# Altium PCB Atlas-Pi.PcbDoc (part 3 of 3)
Units mil, origin at the board's own origin, x right, y up, seen from the top; angles counter-clockwise.
Board outline 2204.72 x 3346.46 mil, 4 copper layers (Top1, Gnd2, Signal3, Bottom4), stack 64.689 mil thick; 216 components, 214 nets, 934 pads, 615 vias.
Unrouted connection lines stored in the file: 151.
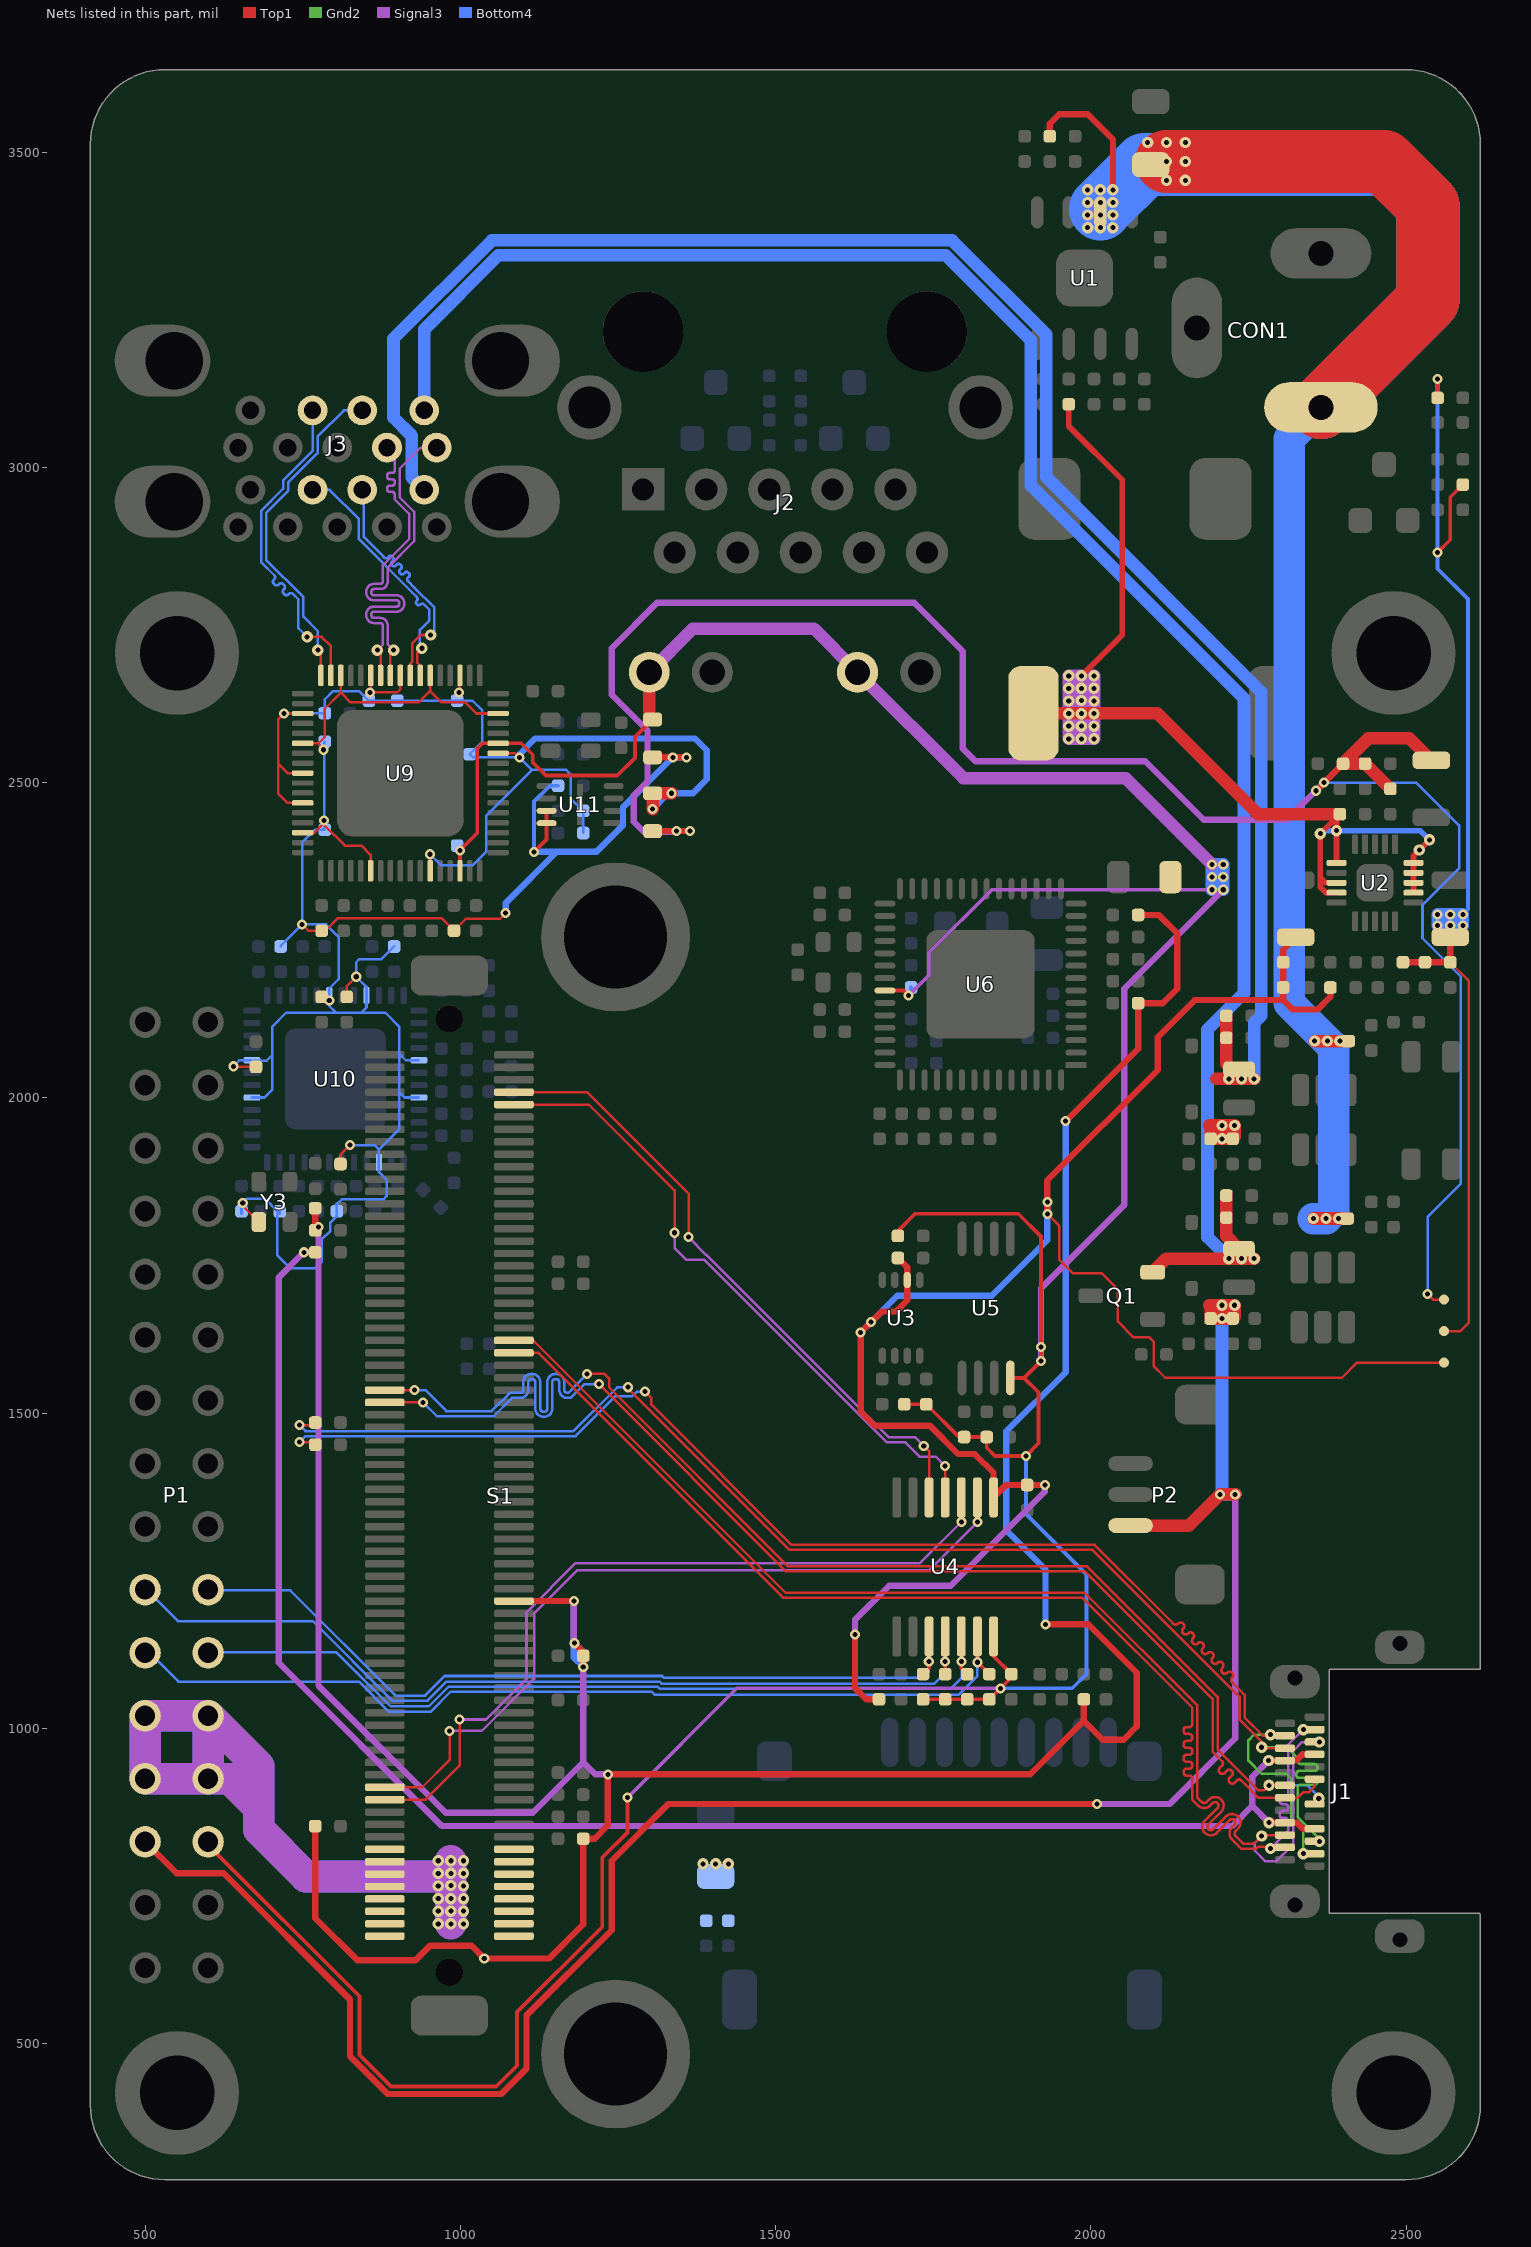
[diagram p5: the nets of this part, all layers, seen from the top]

## Via types
v1: diameter 16, hole 8, Top1 to Bottom4, tented both sides, 455 vias
v2: diameter 18, hole 8, Top1 to Bottom4, tented both sides, 158 vias
v3: diameter 39.37, hole 39.37, Top1 to Bottom4, 2 vias

## Nets (pads, with @x,y where several pads share a name; then routed paths per layer and width w, separated by ;. In a path a pad name is that pad's centre, name@x,y a point inside that pad or via, vN(x,y) a via of type N, cw(c..) or ccw(c..) an arc to the next point about the centre after c; other vN are vias at no path point) (continued)
SSTX2_N: J3.A8 U9.62 | length 561.7
  Top1 w4: v2(868.49,2710) 873.5,2704.98 U9.62@873.5,2669.92
  Signal3 w4: v2(868.49,2710) 877,2718.51 877,2743 877,2749 ccw(c873,2749) 873,2753 863,2753 cw(c863,2765) 851,2765 851,2767 cw(c863,2767) 863,2779 899,2779 ccw(c899,2783) 903,2783 903,2785 ccw(c899,2785) 899,2789 863,2789 cw(c863,2801) 851,2801 851,2803 cw(c863,2803) 863,2815 873,2815 ccw(c873,2819) 877,2819 877,2836 877,2844.31 919,2886.31 919,2926 896,2949 896,2955 896,2957 ccw(c892,2957) 892,2961 888,2961 cw(c888,2965) 884,2965 884,2967 cw(c888,2967) 888,2971 892,2971 ccw(c892,2975) 896,2975 896,2977 ccw(c892,2977) 892,2981 888,2981 cw(c888,2985) 884,2985 884,2987 cw(c888,2987) 888,2991 892,2991 ccw(c892,2995) 896,2995 896,3002 896,3018.96 J3.A8@883.74,3031.22
SSTX2_P: J3.A9 U9.61 | length 561.7
  Top1 w4: U9.61@889.25,2669.92 889.25,2704.98 v2(894.27,2710)
  Signal3 w4: v2(894.27,2710) 885,2719.27 885,2743 885,2749 ccw(c873,2749) 873,2761 863,2761 cw(c863,2765) 859,2765 859,2767 cw(c863,2767) 863,2771 899,2771 ccw(c899,2783) 911,2783 911,2785 ccw(c899,2785) 899,2797 863,2797 cw(c863,2801) 859,2801 859,2803 cw(c863,2803) 863,2807 873,2807 ccw(c873,2819) 885,2819 885,2836 885,2841 927,2883 927,2926 927,2929.31 904,2952.31 904,2998 937.22,3031.22 J3.A9@962.48,3031.22
UART0_RXD: S1.23 U4.3 | length 1240.2
  Top1 w4: S1.23@880.28,886.93 944.93,886.93 999,941 v1(999,1014) ; v1(1794.59,1327.59) U4.3@1794.59,1366.24
  Signal3 w4: v1(999,1014) 1040.69,1014 1105,1078.31 1105,1184 1183,1262 1729,1262 v1(1794.59,1327.59)
UART0_RXD_3V3: P1.22 R29.2 U4.12 | length 1341.4
  Top1 w6: U4.12@1794.59,1145.76 1794.59,1095.41 R29.2@1804,1086
  Bottom4 w4: P1.22@600,1121 803,1121 836,1088 836.31,1088 889.31,1035 950.31,1035 981.31,1066 1313,1066 1316,1063 1778,1063 1795,1080 v1(1795,1106)
UART0_TXD: S1.25 U4.2 | length 1240.4
  Top1 w4: S1.25@880.28,906.61 939.61,906.61 983,950 v1(983,996) ; v1(1820,1327) 1820.18,1327.18 U4.2@1820.18,1366.24
  Signal3 w4: v1(983,996) 1034,996 1117,1079 1117,1182 1186,1251 1744,1251 v1(1820,1327)
UART0_TXD_3V3: P1.21 R28.2 U4.13 | length 1476.1
  Top1 w6: U4.13@1820.18,1145.76 v1(1820.18,1104.82) R28.2@1839,1086
  Bottom4 w4: P1.21@500,1120 507,1120 553,1074 839,1074 887,1026 952.63,1026 984.63,1058 1304,1058 1309,1053 1790,1053 1820.18,1083.18 v1(1820.18,1104.82)
UART1_RXD: S1.138 U4.5 | length 1008
  Top1 w4: S1.138@1085,2008.98 1201.03,2008.98 1362,1848 v1(1362,1779) ; v1(1735,1448) 1743.41,1439.59 U4.5@1743.41,1366.24
  Signal3 w4: v1(1362,1779) 1390,1751 1390.31,1751 1679.31,1462 1721,1462 v1(1735,1448)
UART1_RXD_3V3: P1.20 R31.2 U4.10 | length 1310.1
  Top1 w6: R31.2@1734,1086 1743.41,1095.41 U4.10@1743.41,1145.76
  Bottom4 w4: P1.20@600,1219 730,1219 897,1052 944,1052 975,1083 1320,1083 1323,1080 1733,1080 1743,1090 v1(1743,1106)
UART1_TXD: S1.136 U4.4 | length 1024.5
  Top1 w4: S1.136@1085,1989.29 1203.71,1989.29 1340,1853 v1(1340,1786) ; U4.4@1769,1366.24 v1(1769,1416)
  Signal3 w4: v1(1340,1786) 1340,1762 1359,1743 1387,1743 1676,1454 1705,1454 1728,1431 1754,1431 v1(1769,1416)
UART1_TXD_3V3: P1.19 R30.2 U4.11 | length 1440.4
  Top1 w6: R30.2@1769,1086 v1(1769,1106) U4.11@1769,1145.76
  Bottom4 w4: P1.19@500,1220 502,1220 552,1170 766,1170 892,1044 948,1044 978,1074 1316.31,1074 1319.31,1071 1752,1071 1769,1088 v1(1769,1106)
USB2_D_N: J1.A7 J1.B7 S1.89 | length 2039
  Top1 w4: S1.89@880.28,1536.53 v1(927.47,1536.53) ; v1(1201,1562) 1229,1562 1236,1555 1236,1541 1520,1257 1994,1257 2201,1050 2201,966.31 2265.31,902 2275,902 v2(2282.53,909.53) J1.A7@2307.76,909.53
  Bottom4 w4: v1(927.47,1536.53) 944.47,1536.53 978,1503 1049.69,1503 1078.69,1532 1089,1532 1095,1532 ccw(c1095,1536.95) 1099.95,1536.95 1099.95,1549.05 cw(c1112.9,1549.05) 1112.9,1562 1114,1562 cw(c1114,1549.05) 1126.95,1549.05 1126.95,1506.95 ccw(c1131.9,1506.95) 1131.9,1502 1133,1502 ccw(c1133,1506.95) 1137.95,1506.95 1137.95,1549.05 cw(c1150.9,1549.05) 1150.9,1562 1152,1562 cw(c1152,1549.05) 1164.95,1549.05 1164.95,1536.95 ccw(c1169.9,1536.95) 1169.9,1532 1171.34,1532 1171.59,1532.24 1177.76,1538.41 1177.76,1538.76 1188,1549 v1(1201,1562) ; v2(2282.53,909.53) 2343.47,909.53 v2@2364,889
  other v2: 2361.5,889
USB2_D_P: J1.A6 J1.B6 S1.87 | length 2038.5
  Top1 w4: S1.87@880.28,1516.85 v1(941,1516.85) ; v1(1219.84,1545.84) 1516.69,1249 1990.69,1249 2193,1046.69 2193,963 2199,957 2208.19,947.81 cw(c2204.69,944.31) 2208.19,940.81 2204.28,936.9 ccw(c2207.78,933.4) 2204.28,929.9 2205.06,929.12 ccw(c2208.56,932.62) 2212.06,929.12 2215.97,933.03 cw(c2219.47,929.53) 2222.97,933.03 2223.75,932.25 cw(c2220.25,928.75) 2223.75,925.25 2219.84,921.34 ccw(c2223.34,917.84) 2219.84,914.34 2220.62,913.56 ccw(c2224.12,917.06) 2227.62,913.56 2231.53,917.47 cw(c2235.03,913.97) 2238.53,917.47 2244.5,911.5 2266.16,889.84 J1.A6@2307.76,889.84 2327.84,889.84 2337,899 2346,899 2355,908 J1.B6@2355,919.37
  Bottom4 w4: v1(941,1516.85) 962.85,1495 1053,1495 1082,1524 1089,1524 1095,1524 ccw(c1095,1536.95) 1107.95,1536.95 1107.95,1549.05 cw(c1112.9,1549.05) 1112.9,1554 1114,1554 cw(c1114,1549.05) 1118.95,1549.05 1118.95,1506.95 ccw(c1131.9,1506.95) 1131.9,1494 1133,1494 ccw(c1133,1506.95) 1145.95,1506.95 1145.95,1549.05 cw(c1150.9,1549.05) 1150.9,1554 1152,1554 cw(c1152,1549.05) 1156.95,1549.05 1156.95,1536.95 ccw(c1169.9,1536.95) 1169.9,1524 1174.66,1524 1174.9,1524.24 1183.41,1532.76 1183.76,1532.76 1188,1537 1196.84,1545.84 v1(1219.84,1545.84)
USB3_RX_N: C14.2 J1.A10 J1.B10 | length 2210.8
  Top1 w4: v1(745,1481) 766,1481 C14.2@770,1485 ; v1(1266,1541) 1266,1539 1522,1283 2002.69,1283 2236,1049.69 2236,1014 2271,979 v2(2271,970) ; v2@2271,968.58 J1.A10@2307.76,968.58
  Gnd2 w4: v2(2271,970) 2311,970 2328,953 2328,950.39 2328,948.39 ccw(c2332.95,948.39) 2332.95,943.44 2354.59,943.44 cw(c2354.59,938.49) 2359.54,938.49 2359.54,937.39 cw(c2354.59,937.39) 2354.59,932.44 2330.82,932.44 ccw(c2330.82,927.49) 2325.87,927.49 2325.87,926.39 ccw(c2330.82,926.39) 2330.82,921.44 2354.59,921.44 cw(c2354.59,916.49) 2359.54,916.49 2359.54,915.39 cw(c2354.59,915.39) 2354.59,910.44 2332.95,910.44 ccw(c2332.95,905.49) 2328,905.49 2328,891.1 2328,859.37 v2@2366,821.37
  Bottom4 w4: v1(745,1481) 754.5,1471.5 1179.5,1471.5 1249,1541 v1(1266,1541)
  other v2: 2362.3,820.87
USB3_RX_P: C13.2 J1.A11 J1.B11 | length 2228.4
  Top1 w4: v1(745,1454) 766,1454 C13.2@770,1450 ; v1(1293,1534) 1303,1524 1303,1513.31 1525.31,1291 2006,1291 2129.5,1167.5 2130.91,1166.09 ccw(c2134.8,1169.97) 2138.69,1166.09 cw(c2142.58,1162.2) 2146.47,1166.09 cw(c2142.58,1162.2) 2146.47,1158.31 ccw(c2150.36,1154.42) 2146.47,1150.53 ccw(c2150.36,1154.42) 2154.25,1150.53 cw(c2158.14,1146.64) 2162.03,1150.53 cw(c2158.14,1146.64) 2162.03,1142.75 ccw(c2165.92,1138.86) 2162.03,1134.97 ccw(c2165.92,1138.86) 2169.81,1134.97 cw(c2173.69,1131.08) 2177.58,1134.97 cw(c2173.69,1131.08) 2177.58,1127.19 ccw(c2181.47,1123.31) 2177.58,1119.42 ccw(c2181.47,1123.31) 2185.36,1119.42 cw(c2189.25,1115.53) 2193.14,1119.42 cw(c2189.25,1115.53) 2193.14,1111.64 ccw(c2197.03,1107.75) 2193.14,1103.86 ccw(c2197.03,1107.75) 2200.92,1103.86 cw(c2204.81,1099.97) 2208.7,1103.86 cw(c2204.81,1099.97) 2208.7,1096.08 ccw(c2212.59,1092.19) 2208.7,1088.3 ccw(c2212.59,1092.19) 2216.47,1088.3 cw(c2220.36,1084.41) 2224.25,1088.3 cw(c2220.36,1084.41) 2224.25,1080.53 ccw(c2228.14,1076.64) 2224.25,1072.75 2237,1060 2244,1053 2244,1017.31 2273.05,988.27 J1.A11@2307.76,988.27
  Gnd2 w4: v2(2285,990) 2259,990 2250,981 2250,949 2271,928 2310,928 2318,920 2318,855 2337,836 v2(2337,801.37)
  Bottom4 w4: v1(745,1454) 754.5,1463.5 1182.81,1463.5 1246.31,1527 1273,1527 1280,1534 v1(1293,1534)
USB3_TX_N: J1.A3 J1.B3 S1.98 | length 2061.6
  Top1 w4: S1.98@1085,1615.28 1115.73,1615.28 1516,1215 1990,1215 2169,1036 2169,890 2171.59,887.41 2175.81,883.19 ccw(c2179.72,887.06) 2183.62,883.18 2187.5,887.06 ; 2186.45,840.03 ccw(c2190.33,843.93) 2194.23,840.05 2214.37,860.19 ; 2186.42,840.05 cw(c2190.33,843.93) 2186.44,847.82 ; 2186.46,847.84 2207.78,869.16 2207.78,869.33 ccw(c2197.07,877.54) 2206.61,887.08 ccw(c2197.07,877.54) 2187.5,887.07 ; 2214.37,860.2 cw(c2223.94,850.67) 2234.65,842.46 2234.65,842.29 2229.59,837.23 ccw(c2233.46,833.32) 2229.58,829.42 2236.14,822.86 2241.56,817.44 2242,817 2258.63,817 v2(2271,829.37) ; v2@2271,830.79 J1.A3@2307.76,830.79
  Signal3 w4: v2(2271,829.37) 2260,818.37 2260,806 2277,789 2294,789 2321,816 2321,964 2335,978 v2@2366,978
  other v2: 2362.4,978.4
USB3_TX_P: J1.A2 J1.B2 S1.96 | length 2073.9
  Top1 w4: S1.96@1085,1595.59 1124.1,1595.59 1512.69,1207 1986.69,1207 2161,1032.69 2161,1020 2161,1007 cw(c2156.05,1007) 2156.05,1002.05 2151.95,1002.05 ccw(c2151.95,997.1) 2147,997.1 2147,996 ccw(c2151.95,996) 2151.95,991.05 2156.05,991.05 cw(c2156.05,986.1) 2161,986.1 2161,985 cw(c2156.05,985) 2156.05,980.05 2151.95,980.05 ccw(c2151.95,975.1) 2147,975.1 2147,974 ccw(c2151.95,974) 2151.95,969.05 2156.05,969.05 cw(c2156.05,964.1) 2161,964.1 2161,963 cw(c2156.05,963) 2156.05,958.05 2151.95,958.05 ccw(c2151.95,953.1) 2147,953.1 2147,952 ccw(c2151.95,952) 2151.95,947.05 2156.05,947.05 cw(c2156.05,942.1) 2161,942.1 2161,941 cw(c2156.05,941) 2156.05,936.05 2151.95,936.05 ccw(c2151.95,931.1) 2147,931.1 2147,930 ccw(c2151.95,930) 2151.95,925.05 2156.05,925.05 cw(c2156.05,920.1) 2161,920.1 2161,899 2161,886.69 2165.93,881.76 2170.14,877.54 ; 2170.18,877.51 ccw(c2179.72,887.06) 2189.28,877.53 2193.15,881.4 cw(c2197.07,877.54) 2200.93,881.44 ; 2180.79,853.49 ccw(c2190.33,843.93) 2180.78,834.38 ccw(c2190.33,843.93) 2198.53,833.21 2198.7,833.21 2220.02,854.53 ; 2180.8,853.5 2200.93,873.62 ccw(c2197.07,877.54) 2200.97,881.41 ; 2220.05,854.55 cw(c2223.94,850.67) 2227.82,854.56 cw(c2223.94,850.67) 2227.81,846.76 ; 2227.8,846.75 2223.93,842.89 ccw(c2233.46,833.32) 2223.93,823.75 2231.65,816.04 ; 2231.68,816.01 2235.9,811.79 2238.69,809 2261.94,809 2264.94,812 2282.37,812 v2(2285,809.37) ; v2@2285,811.1 J1.A2@2307.76,811.1
  Signal3 w4: v2(2285,809.37) 2313,837.37 2313,851 2313,853 ccw(c2308.05,853) 2308.05,857.95 2304.27,857.95 cw(c2304.27,862.9) 2299.32,862.9 2299.32,864 cw(c2304.27,864) 2304.27,868.95 2308.05,868.95 ccw(c2308.05,873.9) 2313,873.9 2313,875 ccw(c2308.05,875) 2308.05,879.95 2304.27,879.95 cw(c2304.27,884.9) 2299.32,884.9 2299.32,886 cw(c2304.27,886) 2304.27,890.95 2308.05,890.95 ccw(c2308.05,895.9) 2313,895.9 2313,905.69 2313,974 v2(2337,998)
USBHP1_N: J3.B2 U9.59 | length 408.2
  Top1 w4: U9.59@920.75,2669.92 920.75,2688.75 924,2692 924,2721 937,2734 v2(953,2734)
  Bottom4 w4: J3.B2@844.37,2964.29 847,2961.66 847,2889.31 878.07,2858.24 879.49,2856.83 ccw(c882.31,2859.66) 885.14,2856.83 886.84,2858.52 cw(c889.39,2855.98) 891.93,2858.52 893.2,2857.25 cw(c890.66,2854.71) 893.2,2852.16 891.22,2850.18 ccw(c893.77,2847.64) 891.22,2845.09 892.5,2843.82 ccw(c895.04,2846.36) 897.59,2843.82 899.57,2845.8 cw(c902.11,2843.25) 904.66,2845.8 905.93,2844.52 cw(c903.39,2841.98) 905.93,2839.43 903.95,2837.45 ; 903.95,2832.36 905.22,2831.09 ccw(c907.77,2833.63) 910.32,2831.09 912.3,2833.07 cw(c914.84,2830.52) 917.39,2833.07 918.66,2831.8 cw(c916.11,2829.25) 918.66,2826.7 916.96,2825.01 ccw(c919.79,2822.18) 916.96,2819.35 926.66,2809.66 959,2777.31 959,2740 v2(953,2734) ; 903.95,2832.36 cw(c906.5,2834.91) 903.95,2837.45
USBHP1_P: J3.B3 U9.58 | length 408.7
  Top1 w4: U9.58@936.5,2669.92 936.5,2685.51 932,2690 932,2706 v2(939,2713)
  Bottom4 w4: J3.B3@765.63,2964.29 792.71,2964.29 839,2918 839,2886 924,2801 931.07,2793.93 cw(c928.24,2791.1) 931.07,2788.27 930.79,2787.99 ccw(c933.33,2785.44) 930.79,2782.9 931.35,2782.33 ccw(c933.9,2784.88) 936.45,2782.33 936.73,2782.61 cw(c939.56,2779.79) 942.39,2782.61 947,2778 951,2774 951,2757 936,2742 936,2730 936,2716 v2(939,2713)
USBHP2_N: J3.A2 U9.68 | length 536.6
  Top1 w4: v2(774,2710) 779.02,2704.98 U9.68@779.02,2669.92
  Bottom4 w4: v2(774,2710) 774,2740 751,2763 751,2794 692,2853 692,2927.69 727,2962.69 727,2976 773.63,3022.63 773.63,3048.63 815.27,3090.27 J3.A2@844.37,3090.27
USBHP2_P: J3.A3 U9.67 | length 538.4
  Top1 w4: v2(757,2731) 780,2731 794.76,2716.24 U9.67@794.76,2669.92
  Bottom4 w4: v2(757,2731) 743,2745 743,2790.69 735.93,2797.76 734.51,2799.17 ccw(c731.4,2796.06) 728.29,2799.17 727.44,2798.32 cw(c724.33,2801.44) 721.22,2798.32 719.66,2799.88 cw(c722.78,2802.99) 719.66,2806.1 720.51,2806.95 ccw(c717.4,2810.06) 720.51,2813.17 718.96,2814.73 ccw(c715.85,2811.62) 712.74,2814.73 711.89,2813.88 cw(c708.78,2816.99) 705.66,2813.88 704.11,2815.44 cw(c707.22,2818.55) 704.11,2821.66 704.96,2822.51 ccw(c701.85,2825.62) 704.96,2828.73 686.34,2847.34 684,2849.69 684,2854 684,2931 719,2966 719,2977 719,2979.31 765.63,3025.94 J3.A3@765.63,3090.27
VBUCK8_1V8: R2.1 R3.1 R5.1 R23.2 R24.2 R40.1 R54.1 R70.1 S1.56 | length 5289.4
  Top1 w4: R23.2@770,1790 v1(775,1795)
  Top1 w10: R5.1@770,845 770,699 837,632 929,632 952,655 1018,655 v1(1038,635) 1141,635 1195,689 R3.1@1195,825 1213,825 1234,846 v1(1234,927) 1904,927 1989,1012 ; R23.2@770,1790 R24.2@770,1825 ; S1.56@1085,1201.89 v1(1180.11,1201.89) ; v1(1181,1135) 1195,1121 R70.1@1195,1115 v1(1195,1097.5) ; v1(1928,1165) 1996,1165 2073,1088 2073,1003 2052,982 2019,982 1989,1012 ; v1(1960,1963) 2075,2078 R2.1@2075,2150 2114,2150 2137,2173 2137,2261 2108,2290 R54.1@2075,2290 ; R40.1@1989,1046 1989,1012
  Signal3 w10: v1(775,1795) 775,1068 977,866 1115,866 1195,946 ; v1(1180.11,1201.89) 1180.11,1135.89 v1(1181,1135) 1195,1121 v1(1195,1097.5) 1195,946 ; v1(1234,927) 1214,927 1195,946
  Bottom4 w10: v1(1180.11,1201.89) 1180.11,1112.39 v1(1195,1097.5) ; v1(1928,1165) 1928,1252 1866,1314 1866,1471 1960,1565 v1(1960,1963)
VBUS: J1.A4 J1.A9 J1.B4 J1.B9 R22.2 | length 2624.1
  Top1 w10: v1(752,1755) R22.2@770,1755 ; v2(2282,949) 2282.1,948.9 J1.A9@2307.76,948.9 2325.9,948.9 2335.74,958.74 J1.B4@2355,958.74 ; v2(2282.53,850.47) J1.A4@2307.76,850.47 2326.53,850.47 2336.37,840.63 J1.B9@2355,840.63
  Signal3 w10: v1(752,1755) 712,1715 712,1104 971,845 2224,845 2256,877 ; v2(2282,949) 2256,923 2256,877 ; v2(2282.53,850.47) 2256,877
VCC_1V05: C8.1 C9.1 L2.2 R14.2 R59.1 T3.0 | length 3308.6
  Top1 w4: v1(2534,1689) 2543,1680 T3.0@2560,1680
  Top1 w10: R59.1@1305,2423 v1(1343,2423) v1(1364,2423) ; v1(2357,2487) v1(2370,2500) C9.1@2400,2530
  Top1 w20: R14.2@2475,2490 C8.1@2435,2530 C9.1@2400,2530 2440,2570 2505.28,2570 L2.2@2540,2535.28
  Signal3 w10: v1(1364,2423) 1345.5,2423 1345.25,2423.25 1344,2422 v1(1343,2423) 1342,2422 1291,2422 1275,2438 1275,2480 1297,2502 1297,2582 1240,2639 1240,2713 1312,2785 1720,2785 1797,2708 1797,2554 1817,2534 2086,2534 2179,2441 2311,2441 v1(2357,2487) v1(2370,2500)
  Bottom4 w4: v1(2370,2500) 2516,2500 2584,2432 2584,2364 2526,2306 2526,2253 2587,2192 2587,1864 2534,1811 v1(2534,1689)
  Bottom4 w10: v1(2357,2487) v1(2370,2500)
VCC_1V05_USB3: C43.1 C44.1 C58.2 C59.2 C60.2 C61.2 C62.2 R59.2 U9.3 U9.9 U9.12 U9.29 U9.45 U9.54 U9.60 U9.63 | length 1938.9
  Top1 w4: U9.12@750.08,2467.76 725.64,2467.76 711.1,2482.3 711.1,2530 ; U9.9@750.08,2515 726.1,2515 711.1,2530 ; U9.3@750.08,2609.49 v1(720.49,2609.49) 711.1,2600.1 711.1,2530 ; U9.63@857.76,2669.92 857.76,2643.76 v1(857,2643) 900,2643 905,2648 U9.60@905,2669.92 ; U9.29@952.24,2360.08 v1(952.24,2386.24) ; v1(998,2643) 999.49,2644.49 U9.54@999.49,2669.92 ; U9.45@1059.92,2546.5 1087.5,2546.5 v1(1094,2540)
  Top1 w20: v1(1305,2458) R59.2@1305,2483 v1(1335,2483)
  Bottom4 w4: v1(720.49,2609.49) 721,2610 C58.2@785,2610 785,2632 798,2645 839,2645 854,2630 C60.2@855,2630 C59.2@900,2630 C61.2@995,2630 1019,2630 1035,2614 1035,2565 C62.2@1015,2545 1020,2540 v1(1094,2540) 1114,2520 ; v1(952.24,2386.24) 969.49,2369 1020,2369 1041,2390 1041,2447 1114,2520 ; C44.1@1195,2420 C43.1@1195,2455 1175,2475 1175,2513 1168,2520 1114,2520
  Bottom4 w10: v1(1094,2540) 1094,2545 1119,2570 1372,2570 1391,2551 1391,2505 1369,2483 v1(1335,2483) 1330,2483 v1(1305,2458)
VCC_1V8: C10.1 C11.1 C17.2 C19.2 L3.2 R15.2 R33.2 T1.0 U3.2 U4.1 | length 3259.9
  Top1 w4: v1(1931,1816) 1950,1797 1950,1743 1971,1722 2017,1722 2043,1696 2043,1645 2068,1620 2093,1620 2100,1613 2100,1574 2118,1556 2398,1556 2422.01,1580.01 T1.0@2560,1580.01
  Top1 w10: v1(1626,1149) 1626,1064 1644,1046 R33.2@1664,1046 ; C17.2@1694,1746 1708.84,1731.16 U3.2@1708.84,1711.04 1708.84,1678.84 1691,1661 1668,1661 v1(1651.5,1644.5) v1(1635,1628) 1635,1502 1657,1480 1745,1480 1790,1435 1816,1435 1845.77,1405.23 U4.1@1845.77,1366.24 1865.54,1386 C19.2@1899,1386 v1(1927,1386) ; v1(1931,1816) v1(1931,1835) 1931,1869 2106,2044 2106,2096 2165,2155 2305,2155 ; L3.2@2325,2254.72 2305,2234.72 C10.1@2305,2215 C11.1@2305,2175 2305,2155 ; R15.2@2380,2175 2380,2160 2360,2140 2320,2140 2305,2155
  Signal3 w10: v1(1626,1149) 1626,1172 1680,1226 1778,1226 1927,1375 v1(1927,1386)
  Bottom4 w10: v1(1635,1628) v1(1651.5,1644.5) 1693,1686 1843,1686 1931,1774 v1(1931,1816) v1(1931,1835)
VCC_3V3: C15.1 C16.1 C20.2 C22.2 C33.1 C51.2 J2.11 J2.13 L4.2 P1.28 R18.2 R25.1 R26.1 R27.1 R28.1 R29.1 R30.1 R31.1 R34.2 R35.1 R36.1 R45.1 R58.1 T2.0 U4.14 U5.8 U6.36 U9.32 U9.46 | length 8746.3
  Top1 w4: T2.0@2560,1630 2586,1630 2599,1643 2599,2186 C15.1@2570,2215
  Top1 w6: P1.28@600,820 600,815 840,575 840,481.97 889.97,432 1057,432 1090,465 1090,550 1225,685 1225,795 1265,835 v1(1265,890) ; U9.32@999.49,2360.08 v1(999.49,2392.49) 1027,2420 1027,2554 1035.24,2562.24 U9.46@1059.92,2562.24 1096.76,2562.24 1115,2544 1115,2532 1136,2511 1249,2511 1277,2539 1277,2572 R58.1@1305,2600 ; U6.36@1673.4,2170.16 1702.84,2170.16 v1(1711,2162) ; R34.2@1694,1781 1694,1789 1721,1816 1885,1816 1921,1780 v1(1921,1605) v1(1921,1582.53) 1894.24,1555.76 ; R25.1@1704,1514 C22.2@1739,1514 R26.1@1791,1462 ; R31.1@1734,1046 R30.1@1769,1046 R29.1@1804,1046 R28.1@1839,1046 v1(1856.5,1063.5) 1874,1081 C20.2@1874,1086 1845.77,1114.23 U4.14@1845.77,1145.76 ; R26.1@1799,1462 R27.1@1835,1462 1835,1445 1848,1432 v1(1897,1432) 1917,1452 1917,1533 1894.24,1555.76 ; U5.8@1872.39,1555.76 1894.24,1555.76 ; v1(2550,2865) 2570,2885 2570,2952.5 R35.1@2590,2972.5 ; R36.1@2550,3110 v1(2550,3140)
  Top1 w10: R18.2@2495,2215 C16.1@2530,2215 C15.1@2570,2215 L4.2@2570,2254.72
  Top1 w20: R58.1@1299.69,2605.32 J2.11@1299.69,2674.84
  Signal3 w6: v1(1265,890) 1438.5,1063.5 v1(1856.5,1063.5) ; v1(1711,2162) 1743,2194 1743,2230 1843,2330 v1(2192,2330)
  Signal3 w10: v1(1921,1582.53) v1(1921,1605) 1921,1698 2053,1830 2053,2173 v1(2210,2330)
  Signal3 w20: J2.11@1299.69,2674.84 1368.84,2744 1560.84,2744 J2.13@1630,2674.84 1797.84,2507 2055,2507 v1(2192,2370)
  Bottom4 w6: v1(1711,2162) 1715,2166 C33.1@1715,2175 ; v1(1856.5,1063.5) 1970.5,1063.5 1993,1086 1993,1244 1897,1340 v1(1897,1432) ; v1(2550,3140) v1(2550,2865) 2550,2839 2598,2791 2598,2299 v1(2590,2291)
  Bottom4 w20: v1(2192,2330) v1(2192,2350) v1(2192,2370) v1(2210,2370) v1(2210,2350) v1(2210,2330) v1(2192,2330) ; v1(2550,2273) v1(2570,2273) v1(2590,2273) v1(2590,2291) v1(2570,2291) v1(2550,2291) v1(2550,2273)
VCC_3V3_USB3: C52.2 C53.2 C70.2 C71.2 C72.2 C73.2 R58.2 R66.2 R67.2 R68.2 R71.1 R92.1 R96.1 R98.1 R99.1 U9.6 U9.15 U9.23 U9.49 U9.57 U9.66 U10.5 U10.8 U10.15 U10.29 U10.32 U10.42 U10.45 U11.7 U11.8 Y3.4 | length 3846
  Top1 w4: v1(640,2050) 641,2049 C70.2@676,2049 ; v1(655,1833) 655,1828.5 Y3.4@680.39,1803.11 ; v1(749,2275) 759,2265 R71.1@780,2265 786,2265 806,2285 970,2285 R66.2@990,2265 1009,2284 1063,2284 v1(1072,2293) ; U9.15@750.08,2420.51 768.51,2420.51 v1@782,2434 ; U9.6@750.08,2562.24 774.76,2562.24 ; v1(783,2552) 783,2554 774.76,2562.24 ; v1(784,2440) 784,2433 817,2400 843,2400 857.76,2385.24 U9.23@857.76,2360.08 ; C71.2@810,1895 810,1910 v1(825,1925) ; U9.66@810.51,2669.92 810.51,2642.51 ; C72.2@820,2160 820,2177 v1(835,2192) ; U9.57@952.24,2669.92 952.24,2645.24 ; U9.49@1059.92,2609.49 1025.51,2609.49 1008,2627 970.49,2627 952.24,2645.24 ; 774.76,2562.24 785,2572.49 785,2617 810.51,2642.51 ; 810.51,2642.51 826.02,2627 934,2627 952.24,2645.24
  Top1 w6: v1(1117,2390) 1136.83,2409.83 U11.8@1136.83,2435.47 U11.7@1136.83,2455.16
  Top1 w10: R58.2@1305,2540 v1(1337,2540) v1(1359,2540)
  Bottom4 w4: v1(640,2050) 649.53,2059.53 U10.32@669.62,2059.53 670.15,2059 693,2059 702,2068 ; R67.2@653,1816 R67.2@653,1820 653,1831 v1(655,1833) 662,1840 690,1840 710,1820 R98.1@713.5,1820 ; U10.29@669.62,2000.47 689.47,2000.47 702,2013 702,2068 ; R98.1@713.5,1816.5 R98.1@713.5,1820 ; R99.1@715,2240 715,2241 v1(749,2275) ; C53.2@785,2565 784,2564 784,2553 v1(783,2552) 784,2551 v1(784,2440) 784,2426 C52.2@785,2425 769,2425 749,2405 v1(749,2275) ; v1(825,1925) 863.8,1925 870.9,1917.9 ; R96.1@895,2240 875,2220 840,2220 835,2215 v1(835,2192) 851.21,2175.79 U10.45@851.21,2162.38 851.21,2143.21 843,2135 ; U10.8@934.38,2000.47 911.53,2000.47 903,2009 ; U10.5@934.38,2059.53 913.47,2059.53 903,2070 ; 702,2068 702,2113 724,2135 803,2135 ; R98.1@713.5,1820 710,1816.5 710,1750 730,1730 770,1730 780,1740 780,1775 794,1789 794,1802 804.25,1812.25 R68.2@804.25,1820 804.25,1831.25 812,1839 878,1839 883,1844 883,1870 870.9,1882.1 U10.15@870.9,1897.62 870.9,1917.9 ; v1(749,2275) 787,2275 807,2255 807,2188 792.16,2173.16 U10.42@792.16,2162.38 v1(792.16,2154.11) 792.16,2145.84 803,2135 ; 803,2135 843,2135 ; 843,2135 881,2135 903,2113 903,2070 ; 870.9,1917.9 903,1950 903,2009 ; 903,2009 903,2070
  Bottom4 w6: v1(1117,2390) 1117,2470 1142,2495 R92.1@1155,2495
  Bottom4 w10: v1(1072,2293) 1072,2309 1153,2390 ; v1(1117,2390) 1153,2390 ; 1172,2390 1153,2390 ; v1(1359,2540) v1(1337,2540) 1258,2461 1258,2432 1216,2390 1153,2390
VCC_USB_5V_1: C39.1 C45.2 C46.2 J3.B1 L5.2 R60.2 | length 3058.1
  Top1 w20: 2199,2030 v2(2219,2030) v2(2239,2030) ; C45.2@2215,2130 C46.2@2215,2095 2215,2054 v2(2239,2030) ; v2(2259,2030) v2(2239,2030) ; v2(2208,1935) v2(2208,1956) ; v2(2208,1935) C39.1@2225,1935 2228,1938 v2(2228,1956) v2(2208,1956) ; v2(2208,1935) R60.2@2190,1935 2190,1954 2188,1956 v2(2208,1956)
  Bottom4 w20: J3.B1@942.8,2964.29 923,2984.09 923,3050 894,3079 894,3204 1050,3360 1780,3360 1929,3211 1929,2984.94 2270,2643.94 2270,2130 2259,2119 v2(2259,2030)
VCC_USB_5V_2: C41.1 C47.2 C48.2 J3.A1 L6.2 P1.27 P2.3 Q1.2 R61.2 | length 6450.1
  Top1 w10: P1.27@500,820 550,770 625,770 825,570 825,480 885,420 1065,420 1105,460 1105,545 1240,680 1240,790 1330,880 v1(2010,880)
  Top1 w20: P2.3@2063,1321.57 2155.57,1321.57 v1(2205,1371) v1(2229,1371) ; Q1.2@2098.06,1723.4 2119.65,1745 v2(2219,1745) v2(2239,1745) v2(2259,1745) ; C47.2@2215,1845 C48.2@2215,1810 2215,1780.46 L6.2@2235,1760.46 ; v2(2208,1650) v2(2208,1671) ; v2(2208,1650) R61.2@2190,1650 2190,1669 2188,1671 v2(2208,1671) ; v2(2208,1650) C41.1@2225,1650 2228,1653 v2(2228,1671) v2(2208,1671)
  Signal3 w10: v1(2010,880) 2125,880 2229,984 v1(2229,1371)
  Signal3 w20: v1(2205,1371) v1(2229,1371)
  Bottom4 w20: J3.A1@942.8,3090.27 942.8,3218.85 1059.94,3336 1770.06,3336 1905,3201.06 1905,2971 2243,2633 2243,2166 2185,2108 2185,1779 v2(2219,1745) ; v2(2208,1671) v2(2208,1650) 2208,1374 v1(2205,1371) v1(2229,1371)
VIN: C5.2 CON1.1 D6.1 D7.1 R4.2 U1.2 | length 3489.4
  Top1 w10: R4.2@1935,3525 1935,3545 1950,3560 1995,3560 2035,3520 v2(2035,3440)
  Top1 w20: v2(2353,1808.5) v2(2373,1808.5) v2(2393,1808.5) D7.1@2405.34,1808.5 ; v2(2355,2090) v2(2375,2090) v2(2395,2090) D6.1@2407.34,2090
  Top1 w100: v2(2120,3485) v2(2150,3485) 2465,3485 2535,3415 2535,3265 CON1.1@2365,3095
  Bottom4 w50: v2(2353,1808.5) v2(2373,1808.5) 2385,1820.5 2385,2080 v2(2375,2090) 2315,2150 2315,3045 CON1.1@2365,3095
  Bottom4 w100: 2015,3410 2085,3480 2150,3480 2470,3480 2535,3415 2535,3265 CON1.1@2365,3095
  other v2: 1995,3380 2015,3380 2035,3380 1995,3400 2015,3400 2035,3400 1995,3420 2015,3420 2035,3420 1995,3440 2015,3440 2120,3455 2150,3455 2090,3515 2120,3515 2150,3515
VSYS_3V8: C2.2 C3.1 C4.1 C12.2 L1.2 P1.23 P1.24 P1.25 P1.26 R1.2 S1.1 S1.2 S1.3 S1.4 S1.5 S1.6 S1.7 S1.8 S1.9 S1.10 S1.11 S1.12 S1.13 S1.14 S1.15 S1.16 U2.7 U2.8 U2.9 U2.10 U2.16 U2.18 U2.19 | length 4182.1
  Top1 w9: R1.2@1965,3100 1965,3065 2050,2980 2050,2734.33 v2(1985,2669.33) ; U2.19@2389.72,2325.28 2372.72,2325.28 2364,2334 2364,2349 ; U2.18@2389.72,2341.02 2371.98,2341.02 2364,2349 ; U2.16@2389.72,2372.52 v2(2389.72,2423.7) C12.2@2389.72,2444.72 ; C12.2@2395,2450 C12.2@2389.72,2444.72 ; U2.7@2511.77,2325.28 U2.8@2511.77,2341.02 U2.9@2511.77,2356.77 U2.10@2511.77,2372.52 2511.77,2383.77 v2(2521,2393) v2(2537,2409) ; 2364,2349 v2(2364,2419) C12.2@2389.72,2444.72
  Top1 w20: L1.2@1909.06,2610 2105,2610 2265,2450 C12.2@2395,2450
  Signal3 w20: v2(1985,2569.33) v2(1985,2589.33) v2(1985,2609.33) v2(1985,2630) v2(1985,2649.33) v2(1985,2669.33) ; v2(1985,2569.33) v2(2005,2569.33) v2(2005,2589.33) v2(2005,2609.33) v2(2005,2629.33) v2(2005,2649.33) v2(2005,2669.33) v2(1985,2669.33) ; v2(1985,2569.33) v2(1965,2569.33) v2(1965,2589.33) v2(1965,2609.33) v2(1965,2629.33) v2(1965,2649.33) v2(1965,2669.33) v2(1985,2669.33)
  Signal3 w50: v2(985,690) v2(985,710) v2(985,730) v2(985,750.67) v2(985,770) ; v2(985,790) v2(985,770) ; P1.26@600,920 P1.24@600,1020 ; P1.26@600,920 635,920 680,875 ; P1.26@600,920 P1.25@500,920 P1.23@500,1020 P1.24@600,1020 ; P1.24@600,1020 680,940 680,875 ; 680,875 680,840 755,765 980,765 v2(985,770)
  Bottom4 w9: v2(2364,2419) 2368.7,2423.7 v2(2389.72,2423.7) 2522.3,2423.7 v2(2537,2409) v2(2521,2393)
  Bottom4 w50: v2(985,770) 980,765 755,765 680,840 680,875 ; P1.26@600,920 P1.24@600,1020 ; P1.26@600,920 635,920 680,875 ; P1.26@600,920 P1.25@500,920 P1.23@500,1020 P1.24@600,1020 ; P1.24@600,1020 680,940 680,875
  other v2: 965,690 1005,690 965,710 1005,710 965,730 1005,730 965,750 1005,750 965,770 1005,770 1385,785 1405,785 1425,785 965,790 1005,790
pads on no net: J1.A5 J1.A8 J1.B5 J1.B8 J2. J2.5 J2.6 J3.A7 J3.B7 S1.29 S1.31 S1.33 S1.35 S1.54 S1.63 S1.65 S1.69 S1.71 S1.72 S1.74 S1.75 S1.77 S1.78 S1.80 S1.84 S1.86 S1.104 S1.121 S1.123 S1.125 S1.143 S1.144 S1.@982.64,613.31 S1.@982.64,2125.12 U4.6 U4.9 U6.1 U6.2 U6.4 U6.5 U6.9 U6.29 U6.31 U6.32 U9.1 U9.2 U9.4 U9.5 U9.7 U9.8 U9.10 U9.11 U9.13 U9.14 U9.16 U9.17 U9.26 U9.30 U9.37 U9.38 U9.39 U9.40 U9.41 U9.42 U9.43 U9.44 U9.51 U10.17 U10.25 U10.26 U10.27 U10.28 U10.30 U10.31 U10.33 U10.34 U10.35 U10.36 U10.44 Y3.1

## Polygon pours and split planes (outlines as drawn)
GND on Top1 "NONET_L02_P-001" (solid, remove dead copper, pour order 11): 415,3630 2620,3630 2620,285 409.99,285
VCC_3V3 on Top1 "NONET_L02_P-001" (solid, remove dead copper, pour order 10): 2218.61,2375 2214.61,2379 2185.98,2379 2182.2,2373.68 2124.31,2373.68 2124.31,2327 2180.98,2327 2183.57,2321 2214.61,2321 2218.61,2325
VCC_3V3 on Top1 "NONET_L02_P-001" (solid, remove dead copper, pour order 8): 2545,2301 2541,2297 2541,2257 2546,2252 2596,2252 2599,2255 2599,2297 2595,2301
VSYS_3V8 on Top1 "VSYS_3V8_L01_P007" (solid, remove dead copper, pour order 7): 1860,2680 1875,2695 2005,2695 2050,2650 2050,2575 2005,2530 1880,2530 1860,2550
VSYS_3V8 on Top1 "VSYS_3V8_L01_P003" (solid, remove dead copper, pour order 3): 880,810 1085,810 1085,670 880,670
NetC1_1 on Top1 "NETC1_1_L01_P002" (solid, remove dead copper, pour order 2): 2050,3250 2035,3235 2035,3170 2040,3165 2090,3165 2095,3170 2095,3240 2085,3250
NetC1_1 on Top1 "NETC1_1_L01_P001" (solid, remove dead copper, pour order 1): 2205,3015 2100,3015 2080,2995 2080,2915 2095,2900 2135,2900 2170,2865 2205,2865
VIN on Top1 "VIN_L01_P000" (solid, remove dead copper, pour order 0): 2000,3360 1980,3380 1980,3445 1990,3455 2015,3455 2060,3500 2095,3535 2165,3535 2175,3525 2175,3450 2160,3435 2090,3435 2080,3445 2070,3445 2045,3420 2045,3375 2030,3360
GND on Bottom4 "NONET_L02_P-001" (solid, remove dead copper, pour order 12): 415.01,3630 2620.01,3630 2620.01,285 410,285
VCC_USB_5V_1 on Bottom4 "VCC_USB_5V_1_L04_P006" (solid, remove dead copper, pour order 6): 2199,1925 2230,1925 2250,1945 2250,1990 2275,2015 2275,2040 2270,2045 2199,2045
VCC_USB_5V_2 on Bottom4 "VCC_USB_5V_2_L04_P005" (solid, remove dead copper, pour order 5): 2197,1640 2230,1640 2250,1660 2250,1705 2275,1730 2275,1755 2270,1760 2197,1760
VSYS_3V8 on Bottom4 "VSYS_3V8_L04_P004" (solid, remove dead copper, pour order 4): 1955,2690 1940,2675 1940,2555 2025,2470 2025,1130 2120,1035 2120,865 2065,810 950,810 935,795 935,690 950,675 2135,675 2256,796 2256,1109 2170,1195 2170,1575 2170,2585 2065,2690
GND on Signal3 "NONET_L02_P-001" (solid, remove dead copper, pour order 14): 415,3630 2620,3630 2620,285 409.99,285
VCC_3V3 on Signal3 "NONET_L02_P-001" (solid, remove dead copper, pour order 9): 2601,2296 2595,2302 2296,2302 2215,2383 2187,2383 2179.32,2373.98 2179.13,2326.04 2189,2317 2198,2317 2273,2242 2579,2242 2601,2264
GND on Gnd2 "NONET_L02_P-001" (solid, remove dead copper, pour order 13): 415,3630 2620,3630 2620,285 409.99,285

## Keep-outs
Keep-Out Layer:
  lines w5: 2616.81,705.98 2616.02,706.77 2378.23,706.77 2378.23,1092.6 2379.02,1093.39 2616.81,1093.39
  lines w10: 2616.81,1093.39 2617.88,1094.46 2617.88,3512.47 ccw(c2499.77,3512.47) 2499.77,3630.58 531.27,3630.58 ccw(c531.27,3512.47) 413.16,3512.47 413.16,402.24 ccw(c531.27,402.24) 531.27,284.13 2499.77,284.13 ccw(c2499.77,402.24) 2617.88,402.24 2617.88,704.91

## Silkscreen, mask and mechanical layers (free items; w line width, h text height)
Top Overlay:
  rectangle: 2530,1190 2575,1540
  lines w10: 2421,1195 2421,1534
  text "GPIOs" at 611,2179.96 h120 r90
  text "RST" at 2510,1856.71 h70 r270
  text "USB-Dev" at 2425,1609.26 h90 r270
  text "FAN" at 2290,1475.05 h100 r270
Bottom Overlay:
  rectangle: 1150,3350 1180,3555
  text "Ascend" at 1573.78,3440 h100
  text "Inside" at 1555,3375 h70
  text "Atlas-Pi" at 1142.07,3365 h200
  text "Pengzhihui @ 21.2.15" at 785,1740.4 h120 r90
Mechanical 1:
  lines w5: 2616.81,705.98 2616.02,706.77 2378.23,706.77 2378.23,1092.6 2379.02,1093.39 2616.81,1093.39
  lines w10: 2616.81,1093.39 2617.88,1094.46 2617.88,3512.47 ccw(c2499.77,3512.47) 2499.77,3630.58 531.27,3630.58 ccw(c531.27,3512.47) 413.16,3512.47 413.16,402.24 ccw(c531.27,402.24) 531.27,284.13 2499.77,284.13 ccw(c2499.77,402.24) 2617.88,402.24 2617.88,704.91
Drill Drawing:
  drawing of 151 lines, arcs and shapes, not listed
  text "Symbol" at 518.5,6669.94 h72
  text "Count" at 1024.38,6669.94 h72
  text "Hole Size" at 1624.22,6669.94 h72
  text "Plated" at 2773.88,6669.94 h72
  text "Hole Type" at 3279.76,6669.94 h72
  text "Drill Layer Pair" at 4013.56,6669.94 h72
  text "Via/Pad" at 5203.21,6669.94 h72
  text "Pad Shape" at 5793.06,6669.94 h72
  text "Template" at 6882.74,6669.94 h72
  text "Description" at 8282.33,6669.94 h72
  text "Hole Tolerance (+)" at 9136.09,6669.94 h72
  text "Hole Tolerance (-)" at 10469.7,6669.94 h72
  text "Hole Length" at 11803.31,6669.94 h72
  text "Routed Path Length" at 12952.97,6669.94 h72
  text "1" at 1024.38,6519.94 h60
  text "40.00mil (1.016mm)" at 1624.22,6519.94 h60
  text "PTH" at 2773.88,6519.94 h60
  text "Slot" at 3279.76,6519.94 h60
  text "Top1 - Bottom4" at 4013.56,6519.94 h60
  text "Pad" at 5203.21,6519.94 h60
  text "Rounded" at 5793.06,6519.94 h60
  text "r203_457h102_356r100" at 6882.74,6519.94 h60
  text "140.00mil (3.556mm)" at 11803.31,6519.94 h60
  text "100.00mil (2.540mm)" at 12952.97,6519.94 h60
  text "2" at 1024.38,6369.94 h60
  text "39.37mil (1.000mm)" at 1624.22,6369.94 h60
  text "PTH" at 2773.88,6369.94 h60
  text "Round" at 3279.76,6369.94 h60
  text "Top1 - Bottom4" at 4013.56,6369.94 h60
  text "Via" at 5203.21,6369.94 h60
  text "Rounded" at 5793.06,6369.94 h60
  text "v100h100" at 6882.74,6369.94 h60
  text "-" at 11803.31,6369.94 h60
  text "-" at 12952.97,6369.94 h60
  text "2" at 1024.38,6219.94 h60
  text "40.00mil (1.016mm)" at 1624.22,6219.94 h60
  text "PTH" at 2773.88,6219.94 h60
  text "Slot" at 3279.76,6219.94 h60
  text "Top1 - Bottom4" at 4013.56,6219.94 h60
  text "Pad" at 5203.21,6219.94 h60
  text "Rounded" at 5793.06,6219.94 h60
  text "r203_406h102_305r100" at 6882.74,6219.94 h60
  text "120.00mil (3.048mm)" at 11803.31,6219.94 h60
  text "80.00mil (2.032mm)" at 12952.97,6219.94 h60
  text "A" at 489.41,6209.95 h66.67
  text "2" at 1024.38,6069.94 h60
  text "43.31mil (1.100mm)" at 1624.22,6069.94 h60
  text "PTH" at 2773.88,6069.94 h60
  text "Round" at 3279.76,6069.94 h60
  text "Top1 - Bottom4" at 4013.56,6069.94 h60
  text "Pad" at 5203.21,6069.94 h60
  text "Rounded" at 5793.06,6069.94 h60
  text "c110h110" at 6882.74,6069.94 h60
  text "-" at 11803.31,6069.94 h60
  text "-" at 12952.97,6069.94 h60
  text "2" at 1024.38,5919.94 h60
  text "66.93mil (1.700mm)" at 1624.22,5919.94 h60
  text "PTH" at 2773.88,5919.94 h60
  text "Round" at 3279.76,5919.94 h60
  text "Top1 - Bottom4" at 4013.56,5919.94 h60
  text "Pad" at 5203.21,5919.94 h60
  text "Rounded" at 5793.06,5919.94 h60
  text "c260h170" at 6882.74,5919.94 h60
  text "-" at 11803.31,5919.94 h60
  text "-" at 12952.97,5919.94 h60
  text "2" at 1024.38,5769.94 h60
  text "127.95mil (3.250mm)" at 1624.22,5769.94 h60
  text "NPTH" at 2773.88,5769.94 h60
  text "Round" at 3279.76,5769.94 h60
  text "Top1 - Bottom4" at 4013.56,5769.94 h60
  text "Pad" at 5203.21,5769.94 h60
  text "Rounded" at 5793.06,5769.94 h60
  text "c325hn325p325" at 6882.74,5769.94 h60
  text "-" at 11803.31,5769.94 h60
  text "-" at 12952.97,5769.94 h60
  text "2" at 1024.38,5619.94 h60
  text "163.39mil (4.150mm)" at 1624.22,5619.94 h60
  text "PTH" at 2773.88,5619.94 h60
  text "Round" at 3279.76,5619.94 h60
  text "Top1 - Bottom4" at 4013.56,5619.94 h60
  text "Pad" at 5203.21,5619.94 h60
  text "Rounded" at 5793.06,5619.94 h60
  text "c600h415" at 6882.74,5619.94 h60
  text "-" at 11803.31,5619.94 h60
  text "-" at 12952.97,5619.94 h60
  text "4" at 1024.38,5469.94 h60
  text "23.62mil (0.600mm)" at 1624.22,5469.94 h60
  text "PTH" at 2773.88,5469.94 h60
  text "Slot" at 3279.76,5469.94 h60
  text "Top1 - Bottom4" at 4013.56,5469.94 h60
  text "Pad" at 5203.21,5469.94 h60
  text "Rounded Rectangle" at 5793.06,5469.94 h60
  text "(Mixed)" at 6882.74,5469.94 h60
  text "63.19mil (1.605mm)" at 11803.31,5469.94 h60
  text "39.57mil (1.005mm)" at 12952.97,5469.94 h60
  text "B" at 489.41,5459.95 h66.67
  text "4" at 1024.38,5319.94 h60
  text "40.16mil (1.020mm)" at 1624.22,5319.94 h60
  text "PTH" at 2773.88,5319.94 h60
  text "Round" at 3279.76,5319.94 h60
  text "Top1 - Bottom4" at 4013.56,5319.94 h60
  text "Pad" at 5203.21,5319.94 h60
  text "Rounded" at 5793.06,5319.94 h60
  text "c165h102" at 6882.74,5319.94 h60
  text "-" at 11803.31,5319.94 h60
  text "-" at 12952.97,5319.94 h60
  text "4" at 1024.38,5169.94 h60
  text "90.55mil (2.300mm)" at 1624.22,5169.94 h60
  text "PTH" at 2773.88,5169.94 h60
  text "Round" at 3279.76,5169.94 h60
  text "Top1 - Bottom4" at 4013.56,5169.94 h60
  text "Pad" at 5203.21,5169.94 h60
  text "Rounded" at 5793.06,5169.94 h60
  text "r385_290h230r100o-48_0" at 6882.74,5169.94 h60
  text "-" at 11803.31,5169.94 h60
  text "-" at 12952.97,5169.94 h60
  text "4" at 1024.38,5019.94 h60
  text "118.11mil (3.000mm)" at 1624.22,5019.94 h60
  text "PTH" at 2773.88,5019.94 h60
  text "Round" at 3279.76,5019.94 h60
  text "Top1 - Bottom4" at 4013.56,5019.94 h60
  text "Pad" at 5203.21,5019.94 h60
  text "Rounded" at 5793.06,5019.94 h60
  text "c500h300" at 6882.74,5019.94 h60
  text "-" at 11803.31,5019.94 h60
  text "-" at 12952.97,5019.94 h60
  text "10" at 1024.38,4869.94 h60
  text "35.04mil (0.890mm)" at 1624.22,4869.94 h60
  text "PTH" at 2773.88,4869.94 h60
  text "Round" at 3279.76,4869.94 h60
  text "Top1 - Bottom4" at 4013.56,4869.94 h60
  text "Pad" at 5203.21,4869.94 h60
  text "(Mixed)" at 5793.06,4869.94 h60
  text "(Mixed)" at 6882.74,4869.94 h60
  text "-" at 11803.31,4869.94 h60
  text "-" at 12952.97,4869.94 h60
  text "18" at 1024.38,4719.94 h60
  text "27.56mil (0.700mm)" at 1624.22,4719.94 h60
  text "PTH" at 2773.88,4719.94 h60
  text "Round" at 3279.76,4719.94 h60
  text "Top1 - Bottom4" at 4013.56,4719.94 h60
  text "Pad" at 5203.21,4719.94 h60
  text "Rounded" at 5793.06,4719.94 h60
  text "c120h70" at 6882.74,4719.94 h60
  text "-" at 11803.31,4719.94 h60
  text "-" at 12952.97,4719.94 h60
  text "32" at 1024.38,4569.94 h60
  text "32.00mil (0.813mm)" at 1624.22,4569.94 h60
  text "PTH" at 2773.88,4569.94 h60
  text "Round" at 3279.76,4569.94 h60
  text "Top1 - Bottom4" at 4013.56,4569.94 h60
  text "Pad" at 5203.21,4569.94 h60
  text "Rounded" at 5793.06,4569.94 h60
  text "c127h81" at 6882.74,4569.94 h60
  text "-" at 11803.31,4569.94 h60
  text "-" at 12952.97,4569.94 h60
  text "613" at 1024.38,4419.94 h60
  text "8.00mil (0.203mm)" at 1624.22,4419.94 h60
  text "PTH" at 2773.88,4419.94 h60
  text "Round" at 3279.76,4419.94 h60
  text "Top1 - Bottom4" at 4013.56,4419.94 h60
  text "Via" at 5203.21,4419.94 h60
  text "Rounded" at 5793.06,4419.94 h60
  text "(Mixed)" at 6882.74,4419.94 h60
  text "-" at 11803.31,4419.94 h60
  text "-" at 12952.97,4419.94 h60
  text "702 Total" at 1024.38,4269.94 h60
  text "Slot definitions :" at 518.5,4124.97 h60
  text "Routed Path Length" at 1551.19,4124.97 h60
  text "= Calculated from tool start centre position to tool end centre position." at 2653.86,4124.97 h60
  text "Hole Length" at 1551.19,4024.99 h60
  text "= Routed Path Length + Tool Size = Slot length as defined in the PCB layout" at 2243.99,4024.99 h60